# KiCad board QBusH723Z.kicad_pcb (continued)
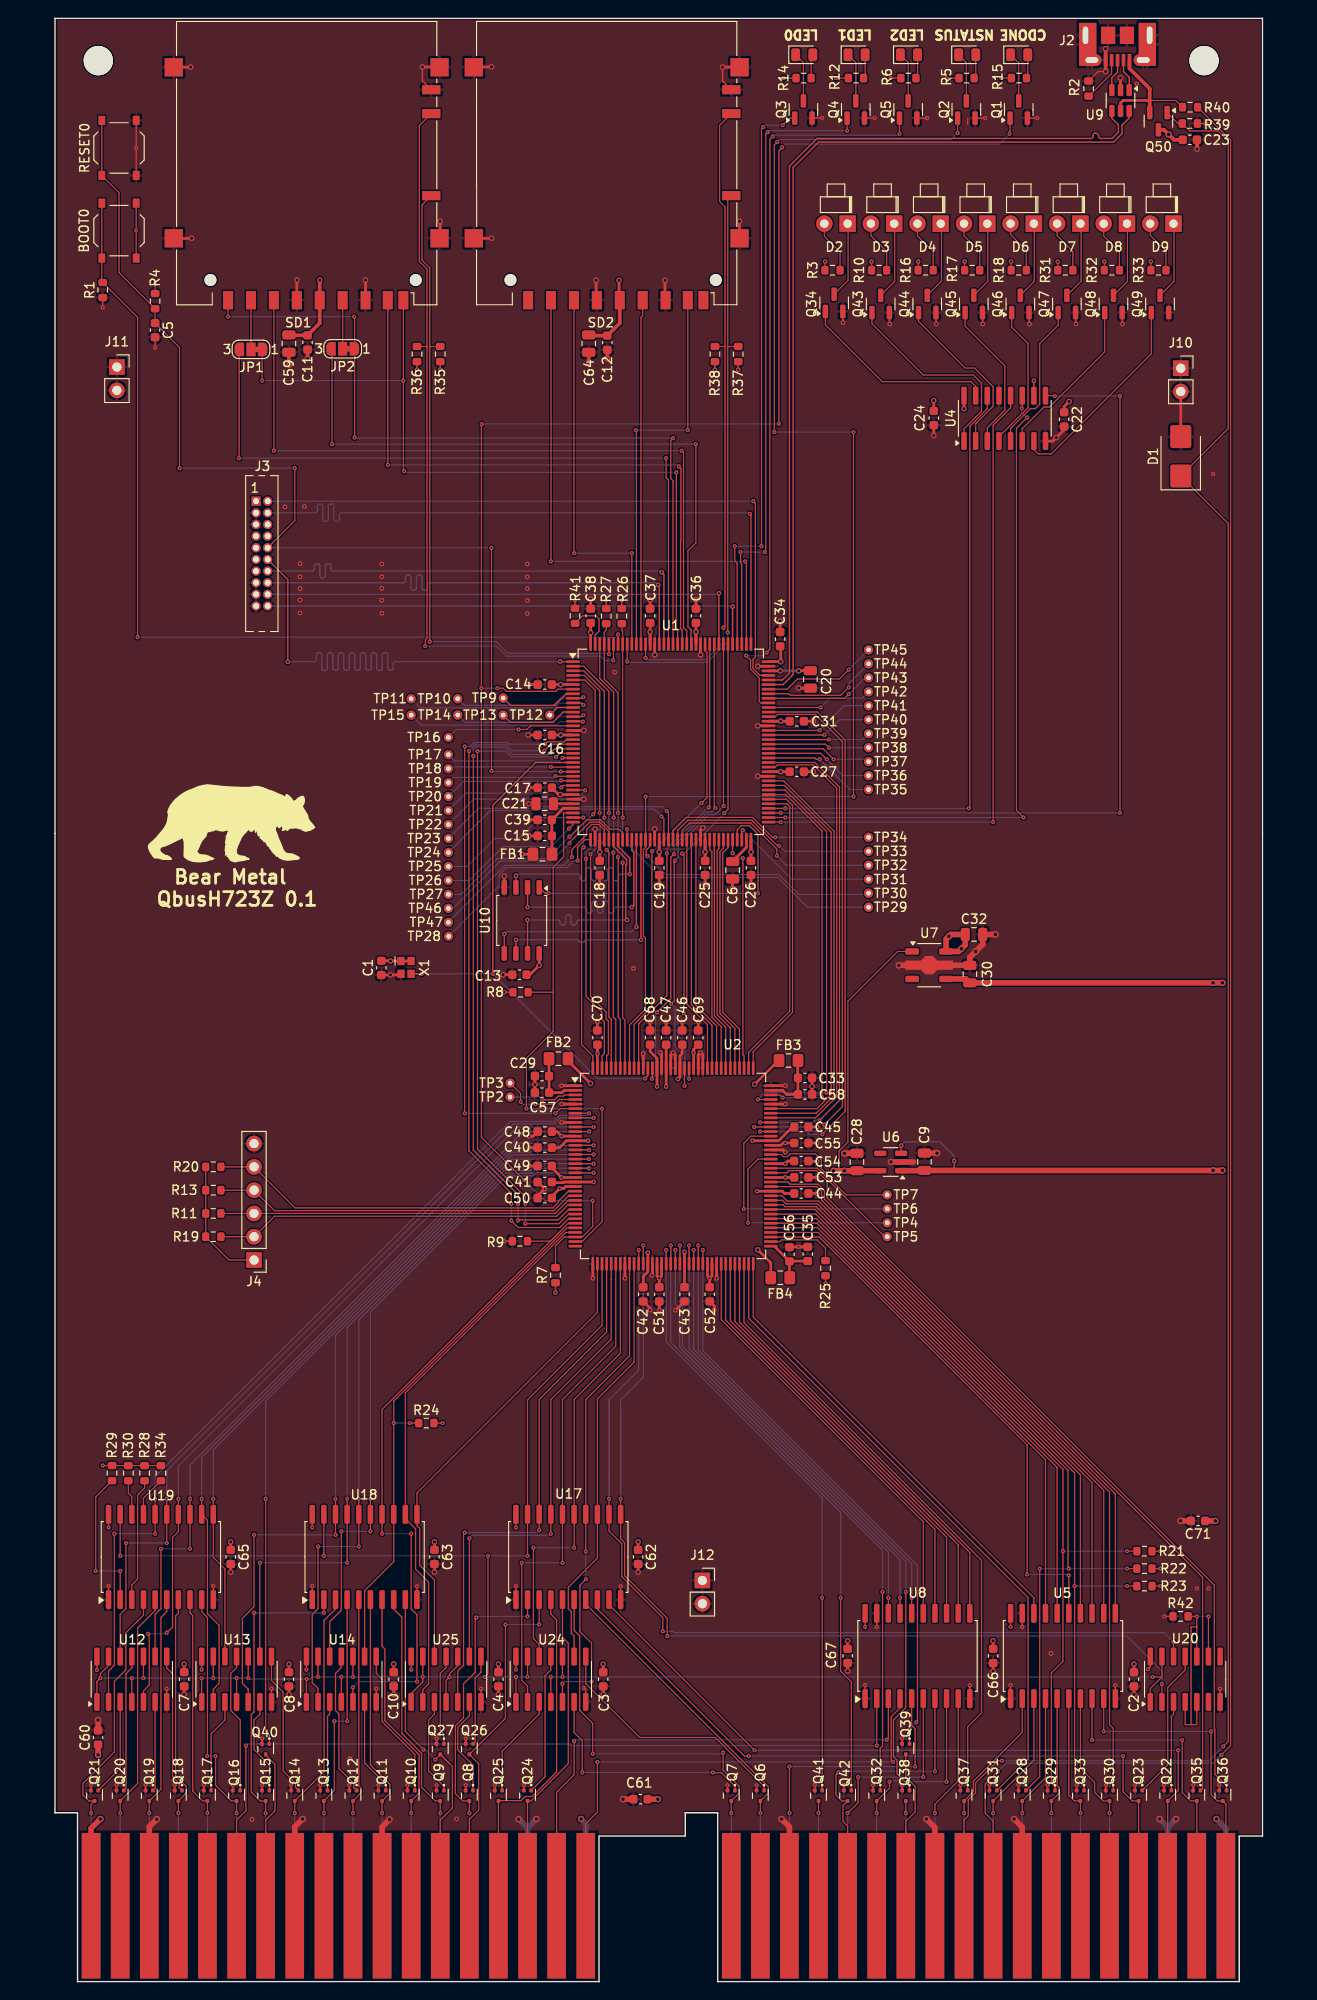
[diagram p0: board, top side]
## Routing (per net, layer and track width the routed paths; a pad name or vN(x,y) marks a point on that pad's centre or on a via; arc(x,y) is an arc through that point) (continued)
Net-(U1-PG0): length 23.7
  Top w0.127: v3(79.01,123.89) 78.82,123.89 76.04,126.67 69.05,126.67 67.94,125.56 U1.56
  Bottom w0.127: TP33.1 79.62,123.28 v3(79.01,123.89)
Net-(U1-PG1): length 24
  Top w0.127: v3(78.77,122.8) 78.77,123.51 75.92,126.37 69.25,126.37 68.44,125.55 U1.57
  Bottom w0.127: v3(78.77,122.8) 79.81,121.75 TP32.1
Net-(U1-PG2): length 12.4
  Top w0.127: v3(83.44,133.31) 83.06,133.31 82.91,133.46 U1.87
  Bottom w0.127: v3(83.44,133.31) 86.74,130.01 TP35.1
Net-(U1-PG3): length 11.9
  Top w0.127: U1.88 83.55,133.96 v3(84.2,133.31)
  Bottom w0.127: v3(84.2,133.31) 85.98,131.53 TP36.1
Net-(U1-PG4): length 11.1
  Top w0.127: U1.89 83.81,134.46 v3(84.96,133.31)
  Bottom w0.127: 88.52,133.31 v3(84.96,133.31)
Net-(U1-PG5): length 11
  Top w0.127: U1.90 84.08,134.96 v3(84.46,134.58)
  Bottom w0.127: 88.65,134.58 v3(84.46,134.58)
Net-(U1-PG6): length 11.2
  Top w0.127: U1.91 84.45,135.46 v3(84.46,135.47)
  Bottom w0.127: TP39.1 88.14,135.47 v3(84.46,135.47)
Net-(U1-PG7): length 11.6
  Top w0.127: v3(83.95,135.98) 83.93,135.96 U1.92
  Bottom w0.127: v3(83.95,135.98) 85.6,137.63 TP40.1
Net-(U1-PG8): length 12
  Top w0.127: U1.93 83.41,136.46 v3(83.44,136.49)
  Bottom w0.127: v3(83.44,136.49) 86.11,139.15 TP41.1
Net-(U1-PH1): length 13.4
  Top w0.127: v3(54.1,132.48) 54.12,132.46 U1.24
  Bottom w0.127: v3(54.1,132.48) 43.11,132.48
Net-(U1-VREF+): length 2.3
  Top w0.3: U1.32 54.21,128.46
Net-(U2C-GPIOL_53_CDI10): length 7.5
  Top w0.127: v3(53.16,96.18) 54.51,96.18 54.91,96.58 55.47,96.58 55.6,96.71 U2.3
  Bottom w0.127: TP2.1 52.86,96.48 v3(53.16,96.18)
Net-(U2C-GPIOL_54_CDI11): length 8.8
  Top w0.127: TP3.1 50.8,96.86 v3(50.8,95.97) ; v3(52.43,95.69) 54.51,95.69 55.03,96.21 U2.4
  Bottom w0.127: v3(52.43,95.69) 51.08,95.69 v3(50.8,95.97)
Net-(U2F-GPIOR_122_CLK13_CDI21): length 26.1
  Top w0.127: v3(75.16,84.26) 75.16,91.45 75.92,92.21 U2.97
  Bottom w0.127: v3(75.16,84.26) 75.18,84.29 TP6.1
Net-(U2F-GPIOR_123_CLK12_CDI20): length 15.4
  Top w0.127: TP7.1 86.31,85.81 84.76,87.36 84.76,87.51 83.61,88.67 83.61,89.65 82.97,90.28 80.21,90.28 79.91,89.98 79.49,89.98 79.25,90.21 U2.93
Net-(U2G-GPIOR_125_CLK10): length 24
  Top w0.127: v3(75.62,82.77) 75.62,88.62 76.71,89.71 U2.92
  Bottom w0.127: TP4.1 v3(75.62,82.77)
Net-(U2G-GPIOR_128_CTRL11): length 15.6
  Top w0.127: 78.11,88.72 83.2,88.72 84.51,87.41 84.51,87.26 90.53,81.24
Net-(U19-A0): length 16.4
  Top w0.127: R29.1 4.45,52.86 v3(4.45,44.79) ; U19.2 v3(7.11,44.79)
  Bottom w0.127: v3(7.11,44.79) v3(4.45,44.79)
Net-(U19-A1): length 13.5
  Top w0.127: R28.1 9.78,53.86 9.02,53.1 9.02,43.9 8.38,43.27 U19.3
Net-(U19-Y0): length 3.8
  Top w0.127: R30.1 8,53.3 8.38,52.92 U19.18
Net-(U19-Y1): length 4.5
  Top w0.127: R34.1 9.65,52.73 U19.17

## Copper pours and planes (outline as drawn; the poured copper is in the pictures)
+1V2 on In2.Cu: 57.69,98.71 77.19,98.71 77.19,79.21 57.69,79.21
+3V3 on In2.Cu: 131.57,213.96 0.25,213.96 0.25,18.63 131.57,18.63
+5V on In2.Cu: 3.3,18.43 0,18.43 0,214.08 3.3,214.08
+5V on In2.Cu: 0,214.08 131.75,214.08 131.75,210.83 8.76,210.83 8.76,205.45 0,205.45
+5V on In2.Cu: 131.57,213.96 78.87,213.96 78.87,179.03 125.86,179.03 125.86,20.92 0.25,20.92 0.25,18.63 2.67,18.63 2.67,0.22 59.18,0.22 59.18,16.09 68.58,16.09 68.58,18.63 72.52,18.63 72.52,0.22 128.91,0.22 128.91,16.09 131.57,16.09
GND on Top, Bottom, In1.Cu: 131.57,213.96 0.25,213.96 0.25,18.63 2.67,18.63 2.67,0.22 59.18,0.22 59.18,16.09 68.58,16.09 68.58,18.63 72.52,18.63 72.52,0.22 128.91,0.22 128.91,16.09 131.57,16.09

## Text on the board
F.Silkscreen: LED0 | LED1 | LED2 | NSTATUS | CDONE | QbusH723Z 0.1 | Bear Metal
